# Allegro board S071AA-0413-20260427.brd (continued)
## Routing (per net, layer and track width the routed paths; a pad name or vN(x,y) marks a point on that pad's centre or on a via; arc(x,y) is an arc through that point) (continued)
170.45,326.59 ; D113.B14 171.52,327.66 ; D113.B14 169.38,327.66 ; D119.A7 30.75,54.41 ; D119.A7 29.68,53.34 ; D119.A7 31.82,53.34 ; D119.A7 30.75,52.27 ; 42.38,383.54 D431.A6 ; D431.A6 44.52,383.54 ; D431.A6 43.45,384.61 ; D431.A6 43.45,382.47 ; 175.53,75.13 D102.A6 ; D102.A6 176.6,76.2 ; D102.A6 174.46,76.2 ; D102.A6 175.53,77.27 ; 19.52,410.21 DPS8.C15 ; DPS8.C15 20.59,409.14 ; DPS8.C15 20.59,411.28 ; DPS8.C15 21.66,410.21 ; D227.B3 124.73,371.91 ; D227.B3 124.73,369.77 ; D227.B3 125.8,370.84 ; D227.B3 123.66,370.84 ; D101.B8 181.68,101.6 ; D101.B8 179.54,101.6 ; D101.B8 180.61,100.53 ; D101.B8 180.61,102.67 ; D432.A16 19.12,403.86 ; D432.A16 18.05,404.93 ; D432.A16 16.98,403.86 ; D432.A16 18.05,402.79 ; D104.B7 179.14,38.1 ; D104.B7 178.07,39.17 ; D104.B7 178.07,37.03 ; D104.B7 177,38.1 ; D109.A12 250.26,332.74 ; D109.A12 249.19,333.81 ; D109.A12 249.19,331.67 ; D109.A12 248.12,332.74 ; D232.A10 34.36,393.7 ; D232.A10 33.29,392.63 ; D232.A10 32.22,393.7 ; D232.A10 33.29,394.77 ; D110.B3 273.12,350.52 ; D110.B3 272.05,351.59 ; D110.B3 272.05,349.45 ; D110.B3 270.98,350.52 ; 29.68,93.98 D117.A7 ; D117.A7 30.75,95.05 ; D117.A7 31.82,93.98 ; D117.A7 30.75,92.91 ; D431.A8 39.44,383.54 ; D431.A8 38.37,384.61 ; D431.A8 37.3,383.54 ; D431.A8 38.37,382.47 ; D123.A8 108.02,55.88 ; D123.A8 105.88,55.88 ; D123.A8 106.95,56.95 ; D123.A8 106.95,54.81 ; 44.92,396.24 D232.A5 ; D232.A5 45.99,395.17 ; D232.A5 45.99,397.31 ; D232.A5 47.06,396.24 ; UHC430.G1_13 15.39,358.45 ; UHC430.G1_13 14.58,359.26 ; UHC430.G1_13 14.58,357.64 ; UHC430.G1_13 13.77,358.45 ; 29.68,370.84 D231.B11 ; D231.B11 31.82,370.84 ; D231.B11 30.75,369.77 ; D231.B11 30.75,371.91 ; D228.A17 90.24,396.24 ; D228.A17 89.17,395.17 ; D228.A17 89.17,397.31 ; D228.A17 88.1,396.24 ; 251.73,31.95 D108.A7 ; D108.A7 251.73,34.09 ; D108.A7 252.8,33.02 ; D108.A7 250.66,33.02 ; CSDPS426.B8 113.1,363.22 ; CSDPS426.B8 112.03,362.15 ; CSDPS426.B8 110.96,363.22 ; CSDPS426.B8 112.03,364.29 ; 114.57,395.17 D228.A7 ; D228.A7 115.64,396.24 ; D228.A7 113.5,396.24 ; D228.A7 114.57,397.31 ; 16.98,383.54 D431.A16 ; D431.A16 18.05,384.61 ; D431.A16 18.05,382.47 ; D431.A16 19.12,383.54 ; 182.08,93.98 D101.A9 ; D101.A9 183.15,92.91 ; D101.A9 183.15,95.05 ; D101.A9 184.22,93.98 ; D120.A2 18.05,36.63 ; D120.A2 16.98,35.56 ; D120.A2 18.05,34.49 ; D120.A2 19.12,35.56 ; D124.A3 94.25,34.09 ; D124.A3 93.18,33.02 ; D124.A3 95.32,33.02 ; D124.A3 94.25,31.95 ; 170.45,80.21 D102.B4 ; D102.B4 170.45,82.35 ; D102.B4 169.38,81.28 ; D102.B4 171.52,81.28 ; 56.15,374.85 D231.A1 ; D231.A1 57.22,375.92 ; D231.A1 55.08,375.92 ; D231.A1 56.15,376.99 ; 19.18,364.64 UHC430.G1_1 ; UHC430.G1_1 18.37,365.45 ; UHC430.G1_1 19.99,365.45 ; UHC430.G1_1 19.18,366.26 ; 94.25,349.45 CSDPS226.C15 ; CSDPS226.C15 94.25,351.59 ; CSDPS226.C15 93.18,350.52 ; CSDPS226.C15 95.32,350.52 ; D428.A10 108.02,403.86 ; D428.A10 106.95,402.79 ; D428.A10 106.95,404.93 ; D428.A10 105.88,403.86 ; 183.15,390.09 D116.B9 ; D116.B9 183.15,392.23 ; D116.B9 182.08,391.16 ; D116.B9 184.22,391.16 ; 119.65,329.13 CSDPS225.C5 ; CSDPS225.C5 120.72,330.2 ; CSDPS225.C5 118.58,330.2 ; CSDPS225.C5 119.65,331.27 ; D109.B3 273.12,330.2 ; D109.B3 272.05,329.13 ; D109.B3 272.05,331.27 ; D109.B3 270.98,330.2 ; 50,330.2 CSDPS229.C3 ; CSDPS229.C3 52.14,330.2 ; CSDPS229.C3 51.07,331.27 ; CSDPS229.C3 51.07,329.13 ; D104.B4 170.45,41.71 ; D104.B4 170.45,39.57 ; D104.B4 169.38,40.64 ; D104.B4 171.52,40.64 ; 88.1,53.34 D123.A1 ; D123.A1 89.17,52.27 ; D123.A1 89.17,54.41 ; D123.A1 90.24,53.34 ; 256.81,77.67 D106.B9 ; D106.B9 257.88,78.74 ; D106.B9 256.81,79.81 ; D106.B9 255.74,78.74 ; 171.92,78.74 D102.B5 ; D102.B5 172.99,77.67 ; D102.B5 172.99,79.81 ; D102.B5 174.06,78.74 ; 248.12,96.52 D105.A6 ; D105.A6 249.19,97.59 ; D105.A6 250.26,96.52 ; D105.A6 249.19,95.45 ; 273.52,368.3 D111.B2 ; D111.B2 274.59,367.23 ; D111.B2 274.59,369.37 ; D111.B2 275.66,368.3 ; 274.59,100.53 D105.B16 ; D105.B16 275.66,101.6 ; D105.B16 274.59,102.67 ; D105.B16 273.52,101.6 ; D118.A14 49.6,76.2 ; D118.A14 47.46,76.2 ; D118.A14 48.53,77.27 ; D118.A14 48.53,75.13 ; 17.22,363.7 UHC430.G1_4 ; UHC430.G1_4 18.03,364.51 ; UHC430.G1_4 18.84,363.7 ; UHC430.G1_4 18.03,362.89 ; 108.42,93.98 D121.A9 ; D121.A9 110.56,93.98 ; D121.A9 109.49,95.05 ; D121.A9 109.49,92.91 ; CSDPS425.B16 92.78,342.9 ; CSDPS425.B16 91.71,341.83 ; CSDPS425.B16 90.64,342.9 ; CSDPS425.B16 91.71,343.97 ; 259.35,387.55 D112.B8 ; D112.B8 260.42,388.62 ; D112.B8 259.35,389.69 ; D112.B8 258.28,388.62 ; 39.84,391.16 D232.B7 ; D232.B7 41.98,391.16 ; D232.B7 40.91,392.23 ; D232.B7 40.91,390.09 ; 243.04,101.6 D105.B4 ; D105.B4 244.11,102.67 ; D105.B4 244.11,100.53 ; D105.B4 245.18,101.6 ; D122.B11 115.64,78.74 ; D122.B11 113.5,78.74 ; D122.B11 114.57,77.67 ; D122.B11 114.57,79.81 ; 43.45,397.71 D432.B6 ; D432.B6 43.45,399.85 ; D432.B6 42.38,398.78 ; D432.B6 44.52,398.78 ; 167.91,414.22 DPS2.A15 ; DPS2.A15 167.91,416.36 ; DPS2.A15 168.98,415.29 ; DPS2.A15 166.84,415.29 ; 110.96,383.54 D427.A8 ; D427.A8 112.03,384.61 ; D427.A8 112.03,382.47 ; D427.A8 113.1,383.54 ; 30.75,385.01 D431.A11 ; D431.A11 30.75,387.15 ; D431.A11 29.68,386.08 ; D431.A11 31.82,386.08 ; CSDPS226.B4 123.26,353.06 ; CSDPS226.B4 121.12,353.06 ; CSDPS226.B4 122.19,351.99 ; CSDPS226.B4 122.19,354.13 ; 94.25,92.91 D121.A3 ; D121.A3 95.32,93.98 ; D121.A3 93.18,93.98 ; D121.A3 94.25,95.05 ; 56.15,385.01 D431.A1 ; D431.A1 55.08,386.08 ; D431.A1 56.15,387.15 ; D431.A1 57.22,386.08 ; 240.5,93.98 D105.A3 ; D105.A3 242.64,93.98 ; D105.A3 241.57,95.05 ; D105.A3 241.57,92.91 ; 263.36,368.3 D111.B6 ; D111.B6 264.43,369.37 ; D111.B6 265.5,368.3 ; D111.B6 264.43,367.23 ; DPS2.B15 167.91,413.82 ; DPS2.B15 166.84,412.75 ; DPS2.B15 168.98,412.75 ; DPS2.B15 167.91,411.68 ; D120.A11 41.98,33.02 ; D120.A11 40.91,31.95 ; D120.A11 39.84,33.02 ; D120.A11 40.91,34.09 ; D124.A10 113.1,35.56 ; D124.A10 110.96,35.56 ; D124.A10 112.03,34.49 ; D124.A10 112.03,36.63 ; 19.52,78.74 D118.B3 ; D118.B3 20.59,79.81 ; D118.B3 20.59,77.67 ; D118.B3 21.66,78.74 ; 112.03,377.39 D427.B8 ; D427.B8 113.1,378.46 ; D427.B8 110.96,378.46 ; D427.B8 112.03,379.53 ; D119.B9 35.83,59.49 ; D119.B9 35.83,57.35 ; D119.B9 36.9,58.42 ; D119.B9 34.76,58.42 ; 277.13,334.21 D109.A1 ; D109.A1 277.13,336.35 ; D109.A1 278.2,335.28 ; D109.A1 276.06,335.28 ; D120.B16 54.68,40.64 ; D120.B16 53.61,39.57 ; D120.B16 52.54,40.64 ; D120.B16 53.61,41.71 ; 260.82,53.34 D107.A11 ; D107.A11 262.96,53.34 ; D107.A11 261.89,54.41 ; D107.A11 261.89,52.27 ; D113.A7 188.23,336.35 ; D113.A7 187.16,335.28 ; D113.A7 188.23,334.21 ; D113.A7 189.3,335.28 ; 42.38,378.46 D431.B6 ; D431.B6 43.45,377.39 ; D431.B6 43.45,379.53 ; D431.B6 44.52,378.46 ; UHC430.G2_13 44.38,359.26 ; UHC430.G2_13 45.19,358.45 ; UHC430.G2_13 44.38,357.64 ; UHC430.G2_13 43.57,358.45 ; D228.A2 127.27,394.77 ; D228.A2 128.34,393.7 ; D228.A2 127.27,392.63 ; D228.A2 126.2,393.7 ; D113.A13 172.99,336.35 ; D113.A13 171.92,335.28 ; D113.A13 174.06,335.28 ; D113.A13 172.99,334.21 ; 113.5,381 D427.B7 ; D427.B7 115.64,381 ; D427.B7 114.57,382.07 ; D427.B7 114.57,379.93 ; 171.92,58.42 D103.B5 ; D103.B5 172.99,59.49 ; D103.B5 174.06,58.42 ; D103.B5 172.99,57.35 ; D124.B6 101.87,41.71 ; D124.B6 100.8,40.64 ; D124.B6 101.87,39.57 ; D124.B6 102.94,40.64 ; D107.A15 272.05,54.41 ; D107.A15 272.05,52.27 ; D107.A15 270.98,53.34 ; D107.A15 273.12,53.34 ; 197.32,58.42 D103.B15 ; D103.B15 199.46,58.42 ; D103.B15 198.39,59.49 ; D103.B15 198.39,57.35 ; D103.A14 195.85,56.95 ; D103.A14 194.78,55.88 ; D103.A14 195.85,54.81 ; D103.A14 196.92,55.88 ; 50,73.66 D118.A15 ; D118.A15 51.07,74.73 ; D118.A15 52.14,73.66 ; D118.A15 51.07,72.59 ; CSDPS426.B14 96.79,364.29 ; CSDPS426.B14 95.72,363.22 ; CSDPS426.B14 97.86,363.22 ; CSDPS426.B14 96.79,362.15 ; D122.A4 96.79,77.27 ; D122.A4 97.86,76.2 ; D122.A4 95.72,76.2 ; D122.A4 96.79,75.13 ; 199.86,327.66 D113.B2 ; D113.B2 200.93,328.73 ; D113.B2 202,327.66 ; D113.B2 200.93,326.59 ; D116.B3 199.46,391.16 ; D116.B3 197.32,391.16 ; D116.B3 198.39,392.23 ; D116.B3 198.39,390.09 ; D108.B5 246.65,39.17 ; D108.B5 246.65,37.03 ; D108.B5 245.58,38.1 ; D108.B5 247.72,38.1 ; 194.78,327.66 D113.B4 ; D113.B4 195.85,328.73 ; D113.B4 196.92,327.66 ; D113.B4 195.85,326.59 ; 91.71,362.15 CSDPS426.B16 ; CSDPS426.B16 91.71,364.29 ; CSDPS426.B16 90.64,363.22 ; CSDPS426.B16 92.78,363.22 ; D115.A12 176.6,373.38 ; D115.A12 174.46,373.38 ; D115.A12 175.53,372.31 ; D115.A12 175.53,374.45 ; 263.36,393.7 D112.A6 ; D112.A6 265.5,393.7 ; D112.A6 264.43,392.63 ; D112.A6 264.43,394.77 ; D122.B10 113.1,81.28 ; D122.B10 110.96,81.28 ; D122.B10 112.03,82.35 ; D122.B10 112.03,80.21 ; D106.A2 239.03,77.27 ; D106.A2 239.03,75.13 ; D106.A2 237.96,76.2 ; D106.A2 240.1,76.2 ; 169.38,101.6 D101.B4 ; D101.B4 170.45,102.67 ; D101.B4 170.45,100.53 ; D101.B4 171.52,101.6 ; 245.58,73.66 D106.A5 ; D106.A5 246.65,74.73 ; D106.A5 247.72,73.66 ; D106.A5 246.65,72.59 ; CSDPS426.C9 110.56,360.68 ; CSDPS426.C9 108.42,360.68 ; CSDPS426.C9 109.49,359.61 ; CSDPS426.C9 109.49,361.75 ; D111.B7 262.96,370.84 ; D111.B7 261.89,371.91 ; D111.B7 261.89,369.77 ; D111.B7 260.82,370.84 ; 175.53,59.89 D103.B6 ; D103.B6 174.46,60.96 ; D103.B6 175.53,62.03 ; D103.B6 176.6,60.96 ; D115.B15 167.91,371.91 ; D115.B15 167.91,369.77 ; D115.B15 166.84,370.84 ; D115.B15 168.98,370.84 ; D113.A6 190.77,333.81 ; D113.A6 191.84,332.74 ; D113.A6 189.7,332.74 ; D113.A6 190.77,331.67 ; DPS8.A15 21.66,415.29 ; DPS8.A15 20.59,416.36 ; DPS8.A15 20.59,414.22 ; DPS8.A15 19.52,415.29 ; DPS8.C05 47.06,410.21 ; DPS8.C05 45.99,409.14 ; DPS8.C05 44.92,410.21 ; DPS8.C05 45.99,411.28 ; 89.17,379.93 D427.B17 ; D427.B17 90.24,381 ; D427.B17 89.17,382.07 ; D427.B17 88.1,381 ; 45.99,369.77 D231.B5 ; D231.B5 45.99,371.91 ; D231.B5 47.06,370.84 ; D231.B5 44.92,370.84 ; D113.B11 178.07,331.27 ; D113.B11 179.14,330.2 ; D113.B11 178.07,329.13 ; D113.B11 177,330.2 ; 250.66,335.28 D109.A11 ; D109.A11 251.73,334.21 ; D109.A11 252.8,335.28 ; D109.A11 251.73,336.35 ; 23.13,39.57 D120.B4 ; D120.B4 22.06,40.64 ; D120.B4 23.13,41.71 ; D120.B4 24.2,40.64 ; 254.27,59.89 D107.B8 ; D107.B8 254.27,62.03 ; D107.B8 253.2,60.96 ; D107.B8 255.34,60.96 ; D427.B10 108.02,378.46 ; D427.B10 106.95,377.39 ; D427.B10 105.88,378.46 ; D427.B10 106.95,379.53 ; D427.A4 123.26,383.54 ; D427.A4 122.19,384.61 ; D427.A4 121.12,383.54 ; D427.A4 122.19,382.47 ; D431.A12 29.28,383.54 ; D431.A12 28.21,384.61 ; D431.A12 28.21,382.47 ; D431.A12 27.14,383.54 ; 28.21,80.21 D118.B6 ; D118.B6 28.21,82.35 ; D118.B6 27.14,81.28 ; D118.B6 29.28,81.28 ; 99.33,12.9 DPS3.A05 ; DPS3.A05 99.33,15.04 ; DPS3.A05 100.4,13.97 ; DPS3.A05 98.26,13.97 ; 56.15,369.77 D231.B1 ; D231.B1 55.08,370.84 ; D231.B1 56.15,371.91 ; D231.B1 57.22,370.84 ; 269.51,75.13 D106.A14 ; D106.A14 270.58,76.2 ; D106.A14 269.51,77.27 ; D106.A14 268.44,76.2 ; 34.76,93.98 D117.A9 ; D117.A9 35.83,92.91 ; D117.A9 36.9,93.98 ; D117.A9 35.83,95.05 ; 14.44,401.32 D432.B17 ; D432.B17 15.51,402.39 ; D432.B17 16.58,401.32 ; D432.B17 15.51,400.25 ; D110.A14 245.18,353.06 ; D110.A14 244.11,351.99 ; D110.A14 244.11,354.13 ; D110.A14 243.04,353.06 ; D110.A6 265.5,353.06 ; D110.A6 264.43,354.13 ; D110.A6 264.43,351.99 ; D110.A6 263.36,353.06 ; D103.A9 184.22,53.34 ; D103.A9 183.15,52.27 ; D103.A9 183.15,54.41 ; D103.A9 182.08,53.34 ; 89.17,97.99 D121.B1 ; D121.B1 88.1,99.06 ; D121.B1 89.17,100.13 ; D121.B1 90.24,99.06 ; D119.A8 34.36,55.88 ; D119.A8 32.22,55.88 ; D119.A8 33.29,56.95 ; D119.A8 33.29,54.81 ; 89.17,15.44 DPS3.B01 ; DPS3.B01 89.17,17.58 ; DPS3.B01 90.24,16.51 ; DPS3.B01 88.1,16.51 ; D103.B13 193.31,59.49 ; D103.B13 192.24,58.42 ; D103.B13 193.31,57.35 ; D103.B13 194.38,58.42 ; D102.A9 183.15,74.73 ; D102.A9 184.22,73.66 ; D102.A9 183.15,72.59 ; D102.A9 182.08,73.66 ; CSDPS225.B4 123.26,332.74 ; CSDPS225.B4 122.19,331.67 ; CSDPS225.B4 122.19,333.81 ; CSDPS225.B4 121.12,332.74 ; D117.B15 52.14,99.06 ; D117.B15 50,99.06 ; D117.B15 51.07,100.13 ; D117.B15 51.07,97.99 ; D117.B4 23.13,102.67 ; D117.B4 23.13,100.53 ; D117.B4 22.06,101.6 ; D117.B4 24.2,101.6 ; CSDPS229.B10 33.29,333.81 ; CSDPS229.B10 34.36,332.74 ; CSDPS229.B10 33.29,331.67 ; CSDPS229.B10 32.22,332.74 ; D427.B6 118.18,378.46 ; D427.B6 117.11,379.53 ; D427.B6 116.04,378.46 ; D427.B6 117.11,377.39 ; 248.12,35.56 D108.A6 ; D108.A6 249.19,36.63 ; D108.A6 249.19,34.49 ; D108.A6 250.26,35.56 ; D119.B14 49.6,60.96 ; D119.B14 48.53,62.03 ; D119.B14 47.46,60.96 ; D119.B14 48.53,59.89 ; D105.A11 261.89,95.05 ; D105.A11 260.82,93.98 ; D105.A11 261.89,92.91 ; D105.A11 262.96,93.98 ; D108.B14 270.58,40.64 ; D108.B14 269.51,39.57 ; D108.B14 268.44,40.64 ; D108.B14 269.51,41.71 ; 260.82,78.74 D106.B11 ; D106.B11 261.89,79.81 ; D106.B11 261.89,77.67 ; D106.B11 262.96,78.74 ; D103.B12 191.84,60.96 ; D103.B12 190.77,62.03 ; D103.B12 190.77,59.89 ; D103.B12 189.7,60.96 ; DPS8.C01 57.22,410.21 ; DPS8.C01 56.15,409.14 ; DPS8.C01 56.15,411.28 ; DPS8.C01 55.08,410.21 ; D102.B16 202,81.28 ; D102.B16 200.93,80.21 ; D102.B16 199.86,81.28 ; D102.B16 200.93,82.35 ; D124.A6 102.94,35.56 ; D124.A6 101.87,34.49 ; D124.A6 101.87,36.63 ; D124.A6 100.8,35.56 ; 46.68,357.64 UHC430.G2_12 ; UHC430.G2_12 46.68,359.26 ; UHC430.G2_12 45.87,358.45 ; UHC430.G2_12 47.49,358.45 ; 53.61,80.21 D118.B16 ; D118.B16 52.54,81.28 ; D118.B16 53.61,82.35 ; D118.B16 54.68,81.28 ; 113.5,406.4 D428.A7 ; D428.A7 114.57,405.33 ; D428.A7 114.57,407.47 ; D428.A7 115.64,406.4 ; D106.B6 249.19,82.35 ; D106.B6 249.19,80.21 ; D106.B6 250.26,81.28 ; D106.B6 248.12,81.28 ; D228.A8 112.03,394.77 ; D228.A8 110.96,393.7 ; D228.A8 113.1,393.7 ; D228.A8 112.03,392.63 ; D115.A1 204.54,375.92 ; D115.A1 202.4,375.92 ; D115.A1 203.47,376.99 ; D115.A1 203.47,374.85 ; 239.03,367.23 D111.B16 ; D111.B16 237.96,368.3 ; D111.B16 239.03,369.37 ; D111.B16 240.1,368.3 ; D105.B5 247.72,99.06 ; D105.B5 245.58,99.06 ; D105.B5 246.65,100.13 ; D105.B5 246.65,97.99 ; 53.36,155.6 KS4.6 ; KS4.6 53.36,157.84 ; KS4.6 54.47,156.72 ; KS4.6 52.24,156.72 ; D101.B7 178.07,100.13 ; D101.B7 179.14,99.06 ; D101.B7 177,99.06 ; D101.B7 178.07,97.99 ; 177,93.98 D101.A7 ; D101.A7 178.07,92.91 ; D101.A7 179.14,93.98 ; D101.A7 178.07,95.05 ; D103.B2 166.44,60.96 ; D103.B2 165.37,62.03 ; D103.B2 164.3,60.96 ; D103.B2 165.37,59.89 ; D428.A9 110.56,406.4 ; D428.A9 109.49,407.47 ; D428.A9 108.42,406.4 ; D428.A9 109.49,405.33 ; D227.B14 97.86,368.3 ; D227.B14 95.72,368.3 ; D227.B14 96.79,367.23 ; D227.B14 96.79,369.37 ; D102.B6 175.53,82.35 ; D102.B6 176.6,81.28 ; D102.B6 174.46,81.28 ; D102.B6 175.53,80.21 ; 246.65,12.9 DPS1.A05 ; DPS1.A05 246.65,15.04 ; DPS1.A05 247.72,13.97 ; DPS1.A05 245.58,13.97 ; UHC230.G4_9 18.03,350.85 ; UHC230.G4_9 18.84,350.04 ; UHC230.G4_9 17.22,350.04 ; UHC230.G4_9 18.03,349.23 ; D227.A16 92.78,373.38 ; D227.A16 91.71,374.45 ; D227.A16 90.64,373.38 ; D227.A16 91.71,372.31 ; 40.91,329.13 CSDPS229.C7 ; CSDPS229.C7 40.91,331.27 ; CSDPS229.C7 39.84,330.2 ; CSDPS229.C7 41.98,330.2 ; CSDPS229.C13 26.74,330.2 ; CSDPS229.C13 24.6,330.2 ; CSDPS229.C13 25.67,329.13 ; CSDPS229.C13 25.67,331.27 ; 94.25,385.01 D427.A15 ; D427.A15 94.25,387.15 ; D427.A15 93.18,386.08 ; D427.A15 95.32,386.08 ; 270.98,396.24 D112.A3 ; D112.A3 273.12,396.24 ; D112.A3 272.05,397.31 ; D112.A3 272.05,395.17 ; D119.A12 43.45,56.95 ; D119.A12 42.38,55.88 ; D119.A12 44.52,55.88 ; D119.A12 43.45,54.81 ; 27.14,55.88 D119.A6 ; D119.A6 28.21,56.95 ; D119.A6 29.28,55.88 ; D119.A6 28.21,54.81 ; 197.32,53.34 D103.A15 ; D103.A15 198.39,52.27 ; D103.A15 198.39,54.41 ; D103.A15 199.46,53.34 ; D104.B3 167.91,39.17 ; D104.B3 166.84,38.1 ; D104.B3 167.91,37.03 ; D104.B3 168.98,38.1 ; D111.A15 242.64,375.92 ; D111.A15 240.5,375.92 ; D111.A15 241.57,374.85 ; D111.A15 241.57,376.99 ; D106.B13 266.97,79.81 ; D106.B13 266.97,77.67 ; D106.B13 265.9,78.74 ; D106.B13 268.04,78.74 ; D106.B5 246.65,79.81 ; D106.B5 246.65,77.67 ; D106.B5 245.58,78.74 ; D106.B5 247.72,78.74 ; D227.A13 100.4,375.92 ; D227.A13 98.26,375.92 ; D227.A13 99.33,376.99 ; D227.A13 99.33,374.85 ; 52.54,35.56 D120.A16 ; D120.A16 54.68,35.56 ; D120.A16 53.61,36.63 ; D120.A16 53.61,34.49 ; D101.A4 171.52,96.52 ; D101.A4 169.38,96.52 ; D101.A4 170.45,95.45 ; D101.A4 170.45,97.59 ; D101.A11 189.3,93.98 ; D101.A11 188.23,92.91 ; D101.A11 187.16,93.98 ; D101.A11 188.23,95.05 ; 94.25,395.17 D228.A15 ; D228.A15 93.18,396.24 ; D228.A15 94.25,397.31 ; D228.A15 95.32,396.24 ; D109.B8 260.42,327.66 ; D109.B8 259.35,328.73 ; D109.B8 258.28,327.66 ; D109.B8 259.35,326.59 ; D119.B12 43.45,62.03 ; D119.B12 44.52,60.96 ; D119.B12 42.38,60.96 ; D119.B12 43.45,59.89 ; 19.52,330.2 CSDPS229.C15 ; CSDPS229.C15 20.59,329.13 ; CSDPS229.C15 20.59,331.27 ; CSDPS229.C15 21.66,330.2 ; D112.B15 242.64,391.16 ; D112.B15 240.5,391.16 ; D112.B15 241.57,390.09 ; D112.B15 241.57,392.23 ; 118.58,99.06 D121.B13 ; D121.B13 119.65,100.13 ; D121.B13 120.72,99.06 ; D121.B13 119.65,97.99 ; D232.A11 31.82,396.24 ; D232.A11 30.75,397.31 ; D232.A11 29.68,396.24 ; D232.A11 30.75,395.17 ; D101.B13 193.31,100.13 ; D101.B13 193.31,97.99 ; D101.B13 192.24,99.06 ; D101.B13 194.38,99.06 ; 95.72,96.52 D121.A4 ; D121.A4 97.86,96.52 ; D121.A4 96.79,95.45 ; D121.A4 96.79,97.59 ; D101.B1 163.9,99.06 ; D101.B1 162.83,97.99 ; D101.B1 162.83,100.13 ; D101.B1 161.76,99.06 ; 122.19,377.39 D427.B4 ; D427.B4 123.26,378.46 ; D427.B4 122.19,379.53 ; D427.B4 121.12,378.46 ; 113.5,99.06 D121.B11 ; D121.B11 114.57,100.13 ; D121.B11 115.64,99.06 ; D121.B11 114.57,97.99 ; 123.66,19.05 DPS3.C15 ; DPS3.C15 125.8,19.05 ; DPS3.C15 124.73,20.12 ; DPS3.C15 124.73,17.98 ; D109.A10 255.34,332.74 ; D109.A10 254.27,333.81 ; D109.A10 253.2,332.74 ; D109.A10 254.27,331.67 ; 177,375.92 D115.A11 ; D115.A11 178.07,376.99 ; D115.A11 179.14,375.92 ; D115.A11 178.07,374.85 ; D231.B16 19.12,368.3 ; D231.B16 18.05,367.23 ; D231.B16 18.05,369.37 ; D231.B16 16.98,368.3 ; D113.B9 183.15,331.27 ; D113.B9 184.22,330.2 ; D113.B9 183.15,329.13 ; D113.B9 182.08,330.2 ; 91.71,54.81 D123.A2 ; D123.A2 91.71,56.95 ; D123.A2 92.78,55.88 ; D123.A2 90.64,55.88 ; D117.B16 53.61,102.67 ; D117.B16 54.68,101.6 ; D117.B16 53.61,100.53 ; D117.B16 52.54,101.6 ; 237.96,81.28 D106.B2 ; D106.B2 239.03,82.35 ; D106.B2 239.03,80.21 ; D106.B2 240.1,81.28 ; 91.71,100.53 D121.B2 ; D121.B2 91.71,102.67 ; D121.B2 92.78,101.6 ; D121.B2 90.64,101.6 ; 99.33,72.59 D122.A5 ; D122.A5 98.26,73.66 ; D122.A5 100.4,73.66 ; D122.A5 99.33,74.73 ; D105.B2 239.03,102.67 ; D105.B2 239.03,100.53 ; D105.B2 237.96,101.6 ; D105.B2 240.1,101.6 ; D112.B6 265.5,388.62 ; D112.B6 264.43,389.69 ; D112.B6 263.36,388.62 ; D112.B6 264.43,387.55 ; D432.B8 39.44,398.78 ; D432.B8 37.3,398.78 ; D432.B8 38.37,399.85 ; D432.B8 38.37,397.71 ; D109.A6 264.43,333.81 ; D109.A6 264.43,331.67 ; D109.A6 263.36,332.74 ; D109.A6 265.5,332.74 ; 182.08,33.02 D104.A9 ; D104.A9 183.15,34.09 ; D104.A9 184.22,33.02 ; D104.A9 183.15,31.95 ; D113.B12 176.6,327.66 ; D113.B12 175.53,328.73 ; D113.B12 174.46,327.66 ; D113.B12 175.53,326.59 ; 195.85,387.55 D116.B4 ; D116.B4 196.92,388.62 ; D116.B4 194.78,388.62 ; D116.B4 195.85,389.69 ; D113.A3 199.46,335.28 ; D113.A3 197.32,335.28 ; D113.A3 198.39,334.21 ; D113.A3 198.39,336.35 ; D432.B9 36.9,401.32 ; D432.B9 34.76,401.32 ; D432.B9 35.83,402.39 ; D432.B9 35.83,400.25 ; D115.A13 174.06,375.92 ; D115.A13 171.92,375.92 ; D115.A13 172.99,376.99 ; D115.A13 172.99,374.85 ; DPS2.B11 179.14,412.75 ; DPS2.B11 177,412.75 ; DPS2.B11 178.07,413.82 ; DPS2.B11 178.07,411.68 ; D111.B3 272.05,371.91 ; D111.B3 270.98,370.84 ; D111.B3 273.12,370.84 ; D111.B3 272.05,369.77 ; D114.B13 172.99,351.59 ; D114.B13 171.92,350.52 ; D114.B13 172.99,349.45 ; D114.B13 174.06,350.52 ; 44.92,73.66 D118.A13 ; D118.A13 47.06,73.66 ; D118.A13 45.99,72.59 ; D118.A13 45.99,74.73 ; 167.91,349.45 D114.B15 ; D114.B15 166.84,350.52 ; D114.B15 167.91,351.59 ; D114.B15 168.98,350.52 ; UHC230.G4 16.88,352.6 ; UHC230.G4 16.88,350.98 ; UHC230.G4 17.69,351.79 ; UHC230.G4 16.07,351.79 ; 13.77,351.79 UHC230.G4_8 ; UHC230.G4_8 14.58,352.6 ; UHC230.G4_8 14.58,350.98 ; UHC230.G4_8 15.39,351.79 ; D118.A11 41.98,73.66 ; D118.A11 39.84,73.66 ; D118.A11 40.91,74.73 ; D118.A11 40.91,72.59 ; 178.07,57.35 D103.B7 ; D103.B7 179.14,58.42 ; D103.B7 178.07,59.49 ; D103.B7 177,58.42 ; 29.68,381 D431.B11 ; D431.B11 30.75,379.93 ; D431.B11 31.82,381 ; D431.B11 30.75,382.07 ; 101.87,54.81 D123.A6 ; D123.A6 101.87,56.95 ; D123.A6 102.94,55.88 ; D123.A6 100.8,55.88 ; D120.B10 38.37,41.71 ; D120.B10 38.37,39.57 ; D120.B10 39.44,40.64 ; D120.B10 37.3,40.64 ; D124.B4 97.86,40.64 ; D124.B4 96.79,39.57 ; D124.B4 95.72,40.64 ; D124.B4 96.79,41.71 ; CSDPS225.B14 97.86,332.74 ; CSDPS225.B14 96.79,331.67 ; CSDPS225.B14 95.72,332.74 ; CSDPS225.B14 96.79,333.81 ; D108.A8 255.34,35.56 ; D108.A8 254.27,36.63 ; D108.A8 254.27,34.49 ; D108.A8 253.2,35.56 ; D232.B17 16.58,391.16 ; D232.B17 14.44,391.16 ; D232.B17 15.51,392.23 ; D232.B17 15.51,390.09 ; 179.54,55.88 D103.A8 ; D103.A8 181.68,55.88 ; D103.A8 180.61,54.81 ; D103.A8 180.61,56.95 ; D428.A4 122.19,404.93 ; D428.A4 121.12,403.86 ; D428.A4 123.26,403.86 ; D428.A4 122.19,402.79 ; 164.3,332.74 D113.A16 ; D113.A16 165.37,331.67 ; D113.A16 166.44,332.74 ; D113.A16 165.37,333.81 ; D124.B16 127.27,41.71 ; D124.B16 126.2,40.64 ; D124.B16 127.27,39.57 ; D124.B16 128.34,40.64 ; 43.45,402.79 D432.A6 ; D432.A6 44.52,403.86 ; D432.A6 42.38,403.86 ; D432.A6 43.45,404.93 ; D105.A4 244.11,97.59 ; D105.A4 245.18,96.52 ; D105.A4 243.04,96.52 ; D105.A4 244.11,95.45 ; CSDPS225.B12 101.87,333.81 ; CSDPS225.B12 101.87,331.67 ; CSDPS225.B12 100.8,332.74 ; CSDPS225.B12 102.94,332.74 ; 253.2,81.28 D106.B8 ; D106.B8 254.27,80.21 ; D106.B8 254.27,82.35 ; D106.B8 255.34,81.28 ; D117.B8 33.29,102.67 ; D117.B8 34.36,101.6 ; D117.B8 32.22,101.6 ; D117.B8 33.29,100.53 ; 43.57,348.29 UHC230.G3_13 ; UHC230.G3_13 44.38,347.48 ; UHC230.G3_13 44.38,349.1 ; UHC230.G3_13 45.19,348.29 ; 56.15,390.09 D232.B1 ; D232.B1 55.08,391.16 ; D232.B1 57.22,391.16 ; D232.B1 56.15,392.23 ; D116.B6 190.77,389.69 ; D116.B6 190.77,387.55 ; D116.B6 189.7,388.62 ; D116.B6 191.84,388.62 ; 48.17,348.29 UHC230.G3_11 ; UHC230.G3_11 49.79,348.29 ; UHC230.G3_11 48.98,349.1 ; UHC230.G3_11 48.98,347.48 ; D431.B10 33.29,379.53 ; D431.B10 33.29,377.39 ; D431.B10 34.36,378.46 ; D431.B10 32.22,378.46 ; DPS8.B11 31.82,412.75 ; DPS8.B11 30.75,413.82 ; DPS8.B11 30.75,411.68 ; DPS8.B11 29.68,412.75 ; D115.A7 189.3,375.92 ; D115.A7 188.23,376.99 ; D115.A7 187.16,375.92 ; D115.A7 188.23,374.85 ; UHC230.G4_12 17.69,348.29 ; UHC230.G4_12 16.07,348.29 ; UHC230.G4_12 16.88,347.48 ; UHC230.G4_12 16.88,349.1 ; 200.93,367.23 D115.B2 ; D115.B2 199.86,368.3 ; D115.B2 200.93,369.37 ; D115.B2 202,368.3 ; DPS8.B01 57.22,412.75 ; DPS8.B01 56.15,411.68 ; DPS8.B01 56.15,413.82 ; DPS8.B01 55.08,412.75 ; 25.67,385.01 D431.A13 ; D431.A13 24.6,386.08 ; D431.A13 25.67,387.15 ; D431.A13 26.74,386.08 ; DPS3.C11 115.64,19.05 ; DPS3.C11 113.5,19.05 ; DPS3.C11 114.57,17.98 ; DPS3.C11 114.57,20.12 ; D228.A16 91.71,394.77 ; D228.A16 90.64,393.7 ; D228.A16 92.78,393.7 ; D228.A16 91.71,392.63 ; D232.A4 49.6,393.7 ; D232.A4 47.46,393.7 ; D232.A4 48.53,392.63 ; D232.A4 48.53,394.77 ; 109.49,379.93 D427.B9 ; D427.B9 110.56,381 ; D427.B9 109.49,382.07 ; D427.B9 108.42,381 ; 192.24,330.2 D113.B5 ; D113.B5 194.38,330.2 ; D113.B5 193.31,331.27 ; D113.B5 193.31,329.13 ; D101.B9 183.15,100.13 ; D101.B9 183.15,97.99 ; D101.B9 182.08,99.06 ; D101.B9 184.22,99.06 ; D109.A15 242.64,335.28 ; D109.A15 241.57,334.21 ; D109.A15 240.5,335.28 ; D109.A15 241.57,336.35 ; 104.41,400.25 D428.B11 ; D428.B11 104.41,402.39 ; D428.B11 103.34,401.32 ; D428.B11 105.48,401.32 ; D110.B6 264.43,349.05 ; D110.B6 263.36,347.98 ; D110.B6 264.43,346.91 ; D110.B6 265.5,347.98 ; 96.79,54.81 D123.A4 ; D123.A4 97.86,55.88 ; D123.A4 96.79,56.95 ; D123.A4 95.72,55.88 ; 89.17,72.59 D122.A1 ; D122.A1 88.1,73.66 ; D122.A1 90.24,73.66 ; D122.A1 89.17,74.73 ; 25.67,390.09 D232.B13 ; D232.B13 26.74,391.16 ; D232.B13 25.67,392.23 ; D232.B13 24.6,391.16 ; D427.A5 120.72,386.08 ; D427.A5 119.65,387.15 ; D427.A5 119.65,385.01 ; D427.A5 118.58,386.08 ; CSDPS229.B14 23.13,333.81 ; CSDPS229.B14 23.13,331.67 ; CSDPS229.B14 22.06,332.74 ; CSDPS229.B14 24.2,332.74 ; 100.8,368.3 D227.B12 ; D227.B12 101.87,367.23 ; D227.B12 102.94,368.3 ; D227.B12 101.87,369.37 ; D115.B1 204.54,370.84 ; D115.B1 203.47,369.77 ; D115.B1 202.4,370.84 ; D115.B1 203.47,371.91 ; 28.21,387.55 D232.B12 ; D232.B12 29.28,388.62 ; D232.B12 27.14,388.62 ; D232.B12 28.21,389.69 ; 45.99,400.25 D432.B5 ; D432.B5 47.06,401.32 ; D432.B5 45.99,402.39 ; D432.B5 44.92,401.32 ; D106.A9 256.81,74.73 ; D106.A9 255.74,73.66 ; D106.A9 257.88,73.66 ; D106.A9 256.81,72.59 ; 112.03,367.23 D227.B8 ; D227.B8 110.96,368.3 ; D227.B8 113.1,368.3 ; D227.B8 112.03,369.37 ; D228.B6 118.18,388.62 ; D228.B6 116.04,388.62 ; D228.B6 117.11,389.69 ; D228.B6 117.11,387.55 ; 108.42,396.24 D228.A9 ; D228.A9 110.56,396.24 ; D228.A9 109.49,395.17 ; D228.A9 109.49,397.31 ; 193.31,395.17 D116.A5 ; D116.A5 194.38,396.24 ; D116.A5 193.31,397.31 ; D116.A5 192.24,396.24 ; 185.69,351.99 D114.A8 ; D114.A8 185.69,354.13 ; D114.A8 184.62,353.06 ; D114.A8 186.76,353.06 ; 52.54,60.96 D119.B16 ; D119.B16 53.61,62.03 ; D119.B16 53.61,59.89 ; D119.B16 54.68,60.96 ; D111.B4 269.51,369.37 ; D111.B4 269.51,367.23 ; D111.B4 268.44,368.3 ; D111.B4 270.58,368.3 ; 197.32,38.1 D104.B15 ; D104.B15 199.46,38.1 ; D104.B15 198.39,37.03 ; D104.B15 198.39,39.17 ; 43.45,100.53 D117.B12 ; D117.B12 44.52,101.6 ; D117.B12 43.45,102.67 ; D117.B12 42.38,101.6 ; D106.B4 244.11,82.35 ; D106.B4 245.18,81.28 ; D106.B4 244.11,80.21 ; D106.B4 243.04,81.28 ; D110.A3 273.12,355.6 ; D110.A3 272.05,356.67 ; D110.A3 270.98,355.6 ; D110.A3 272.05,354.53 ; 52.54,342.9 CSDPS429.B2 ; CSDPS429.B2 53.61,341.83 ; CSDPS429.B2 54.68,342.9 ; CSDPS429.B2 53.61,343.97 ; 100.8,342.9 CSDPS425.B12 ; CSDPS425.B12 102.94,342.9 ; CSDPS425.B12 101.87,343.97 ; CSDPS425.B12 101.87,341.83 ; CSDPS426.B6 118.18,363.22 ; CSDPS426.B6 116.04,363.22 ; CSDPS426.B6 117.11,362.15 ; CSDPS426.B6 117.11,364.29 ; D432.A13 26.74,406.4 ; D432.A13 25.67,405.33 ; D432.A13 25.67,407.47 ; D432.A13 24.6,406.4 ; D228.A5 120.72,396.24 ; D228.A5 119.65,395.17 ; D228.A5 118.58,396.24 ; D228.A5 119.65,397.31 ; DPS1.C01 237.56,19.05 ; DPS1.C01 236.49,20.12 ; DPS1.C01 235.42,19.05 ; DPS1.C01 236.49,17.98 ; D121.B10 112.03,102.67 ; D121.B10 112.03,100.53 ; D121.B10 110.96,101.6 ; D121.B10 113.1,101.6 ; D227.A6 118.18,373.38 ; D227.A6 117.11,372.31 ; D227.A6 117.11,374.45 ; D227.A6 116.04,373.38 ; UHC430.G2_10 46.34,360.2 ; UHC430.G2_10 45.53,359.39 ; UHC430.G2_10 44.72,360.2 ; UHC430.G2_10 45.53,361.01 ; 119.65,339.29 CSDPS425.C5 ; CSDPS425.C5 120.72,340.36 ; CSDPS425.C5 118.58,340.36 ; CSDPS425.C5 119.65,341.43 ; CSDPS425.C3 125.8,340.36 ; CSDPS425.C3 124.73,339.29 ; CSDPS425.C3 123.66,340.36 ; CSDPS425.C3 124.73,341.43 ; 241.57,369.77 D111.B15 ; D111.B15 240.5,370.84 ; D111.B15 241.57,371.91 ; D111.B15 242.64,370.84 ; 193.31,52.27 D103.A13 ; D103.A13 192.24,53.34 ; D103.A13 193.31,54.41 ; D103.A13 194.38,53.34 ; 90.64,353.06 CSDPS226.B16 ; CSDPS226.B16 91.71,354.13 ; CSDPS226.B16 91.71,351.99 ; CSDPS226.B16 92.78,353.06 ; D103.A10 186.76,55.88 ; D103.A10 184.62,55.88 ; D103.A10 185.69,56.95 ; D103.A10 185.69,54.81 ; D110.A4 269.51,354.13 ; D110.A4 269.51,351.99 ; D110.A4 268.44,353.06 ; D110.A4 270.58,353.06 ; 43.45,95.45 D117.A12 ; D117.A12 42.38,96.52 ; D117.A12 44.52,96.52 ; D117.A12 43.45,97.59 ; D121.B12 117.11,102.67 ; D121.B12 116.04,101.6 ; D121.B12 118.18,101.6 ; D121.B12 117.11,100.53 ; 44.38,354.48 UHC230.G3_3 ; UHC230.G3_3 44.38,356.1 ; UHC230.G3_3 45.19,355.29 ; UHC230.G3_3 43.57,355.29 ; D107.A4 245.18,55.88 ; D107.A4 243.04,55.88 ; D107.A4 244.11,54.81 ; D107.A4 244.11,56.95 ; 129.81,390.09 D228.B1 ; D228.B1 128.74,391.16 ; D228.B1 130.88,391.16 ; D228.B1 129.81,392.23 ; 123.66,406.4 D428.A3 ; D428.A3 125.8,406.4 ; D428.A3 124.73,405.33 ; D428.A3 124.73,407.47 ; 116.04,96.52 D121.A12 ; D121.A12 117.11,97.59 ; D121.A12 117.11,95.45 ; D121.A12 118.18,96.52 ; D124.A14 123.26,35.56 ; D124.A14 121.12,35.56 ; D124.A14 122.19,36.63 ; D124.A14 122.19,34.49 ; D102.A14 196.92,76.2 ; D102.A14 195.85,75.13 ; D102.A14 195.85,77.27 ; D102.A14 194.78,76.2 ; 177,370.84 D115.B11 ; D115.B11 178.07,369.77 ; D115.B11 178.07,371.91 ; D115.B11 179.14,370.84 ; 259.35,39.57 D108.B10 ; D108.B10 260.42,40.64 ; D108.B10 258.28,40.64 ; D108.B10 259.35,41.71 ; D431.B7 41.98,381 ; D431.B7 39.84,381 ; D431.B7 40.91,382.07 ; D431.B7 40.91,379.93 ; D427.A16 91.71,384.61 ; D427.A16 92.78,383.54 ; D427.A16 91.71,382.47 ; D427.A16 90.64,383.54 ; 98.26,401.32 D428.B13 ; D428.B13 99.33,402.39 ; D428.B13 100.4,401.32 ; D428.B13 99.33,400.25 ; 18.05,377.39 D431.B16 ; D431.B16 18.05,379.53 ; D431.B16 16.98,378.46 ; D431.B16 19.12,378.46 ; D103.B1 162.83,59.49 ; D103.B1 163.9,58.42 ; D103.B1 162.83,57.35 ; D103.B1 161.76,58.42 ; 50,375.92 D231.A3 ; D231.A3 51.07,374.85 ; D231.A3 51.07,376.99 ; D231.A3 52.14,375.92 ; D115.B6 190.77,369.37 ; D115.B6 191.84,368.3 ; D115.B6 190.77,367.23 ; D115.B6 189.7,368.3 ; DPS3.C05 100.4,19.05 ; DPS3.C05 99.33,17.98 ; DPS3.C05 99.33,20.12 ; DPS3.C05 98.26,19.05 ; D428.A15 95.32,406.4 ; D428.A15 94.25,407.47 ; D428.A15 94.25,405.33 ; D428.A15 93.18,406.4 ; DPS1.C15 272.05,20.12 ; DPS1.C15 270.98,19.05 ; DPS1.C15 273.12,19.05 ; DPS1.C15 272.05,17.98 ; D104.B16 200.93,41.71 ; D104.B16 200.93,39.57 ; D104.B16 199.86,40.64 ; D104.B16 202,40.64 ; 28.21,59.89 D119.B6 ; D119.B6 27.14,60.96 ; D119.B6 29.28,60.96 ; D119.B6 28.21,62.03 ; 169.38,60.96 D103.B4 ; D103.B4 170.45,59.89 ; D103.B4 170.45,62.03 ; D103.B4 171.52,60.96 ; 53.61,54.81 D119.A16 ; D119.A16 52.54,55.88 ; D119.A16 54.68,55.88 ; D119.A16 53.61,56.95 ; UHC430.G2_5 46.34,363.7 ; UHC430.G2_5 44.72,363.7 ; UHC430.G2_5 45.53,364.51 ; UHC430.G2_5 45.53,362.89 ; D119.A10 38.37,56.95 ; D119.A10 39.44,55.88 ; D119.A10 38.37,54.81 ; D119.A10 37.3,55.88 ; D113.B10 181.68,327.66 ; D113.B10 179.54,327.66 ; D113.B10 180.61,328.73 ; D113.B10 180.61,326.59 ; 112.03,387.55 D228.B8 ; D228.B8 112.03,389.69 ; D228.B8 110.96,388.62 ; D228.B8 113.1,388.62 ; D114.A15 168.98,355.6 ; D114.A15 167.91,354.53 ; D114.A15 166.84,355.6 ; D114.A15 167.91,356.67 ; D107.A14 270.58,55.88 ; D107.A14 269.51,56.95 ; D107.A14 269.51,54.81 ; D107.A14 268.44,55.88 ; D121.B4 96.79,102.67 ; D121.B4 95.72,101.6 ; D121.B4 96.79,100.53 ; D121.B4 97.86,101.6 ; D122.A3 95.32,73.66 ; D122.A3 93.18,73.66 ; D122.A3 94.25,74.73 ; D122.A3 94.25,72.59 ; D432.B11 31.82,401.32 ; D432.B11 29.68,401.32 ; D432.B11 30.75,400.25 ; D432.B11 30.75,402.39 ; 121.12,388.62 D228.B4 ; D228.B4 122.19,387.55 ; D228.B4 123.26,388.62 ; D228.B4 122.19,389.69 ; D428.A2 128.34,403.86 ; D428.A2 126.2,403.86 ; D428.A2 127.27,404.93 ; D428.A2 127.27,402.79 ; D227.A5 119.65,376.99 ; D227.A5 120.72,375.92 ; D227.A5 119.65,374.85 ; D227.A5 118.58,375.92 ; D112.B9 256.81,392.23 ; D112.B9 257.88,391.16 ; D112.B9 256.81,390.09 ; D112.B9 255.74,391.16 ; CSDPS425.C9 109.49,341.43 ; CSDPS425.C9 108.42,340.36 ; CSDPS425.C9 110.56,340.36 ; CSDPS425.C9 109.49,339.29 ; 253.2,101.6 D105.B8 ; D105.B8 255.34,101.6 ; D105.B8 254.27,100.53 ; D105.B8 254.27,102.67 ; D115.B9 184.22,370.84 ; D115.B9 183.15,371.91 ; D115.B9 183.15,369.77 ; D115.B9 182.08,370.84 ; 175.53,100.53 D101.B6 ; D101.B6 174.46,101.6 ; D101.B6 176.6,101.6 ; D101.B6 175.53,102.67 ; D432.A3 51.07,407.47 ; D432.A3 52.14,406.4 ; D432.A3 51.07,405.33 ; D432.A3 50,406.4 ; D228.B11 105.48,391.16 ; D228.B11 104.41,390.09 ; D228.B11 103.34,391.16 ; D228.B11 104.41,392.23 ; 106.95,59.89 D123.B8 ; D123.B8 106.95,62.03 ; D123.B8 105.88,60.96 ; D123.B8 108.02,60.96 ; 14.92,350.04 UHC230.G4_10 ; UHC230.G4_10 15.73,349.23 ; UHC230.G4_10 16.54,350.04 ; UHC230.G4_10 15.73,350.85 ; 91.71,34.49 D124.A2 ; D124.A2 91.71,36.63 ; D124.A2 90.64,35.56 ; D124.A2 92.78,35.56 ; 25.67,339.29 CSDPS429.C13 ; CSDPS429.C13 25.67,341.43 ; CSDPS429.C13 24.6,340.36 ; CSDPS429.C13 26.74,340.36 ; D114.B8 185.69,349.05 ; D114.B8 185.69,346.91 ; D114.B8 186.76,347.98 ; D114.B8 184.62,347.98 ; D121.A13 119.65,95.05 ; D121.A13 120.72,93.98 ; D121.A13 119.65,92.91 ; D121.A13 118.58,93.98 ; D122.A9 110.56,73.66 ; D122.A9 108.42,73.66 ; D122.A9 109.49,72.59 ; D122.A9 109.49,74.73 ; 251.73,349.45 D110.B11 ; D110.B11 251.73,351.59 ; D110.B11 250.66,350.52 ; D110.B11 252.8,350.52 ; 185.69,392.63 D116.A8 ; D116.A8 184.62,393.7 ; D116.A8 186.76,393.7 ; D116.A8 185.69,394.77 ; D124.A15 124.73,34.09 ; D124.A15 124.73,31.95 ; D124.A15 125.8,33.02 ; D124.A15 123.66,33.02 ; 192.24,350.52 D114.B5 ; D114.B5 193.31,351.59 ; D114.B5 193.31,349.45 ; D114.B5 194.38,350.52 ; 105.88,342.9 CSDPS425.B10 ; CSDPS425.B10 106.95,343.97 ; CSDPS425.B10 106.95,341.83 ; CSDPS425.B10 108.02,342.9 ; DPS8.B15 21.66,412.75 ; DPS8.B15 20.59,413.82 ; DPS8.B15 19.52,412.75 ; DPS8.B15 20.59,411.68 ; 53.61,382.47 D431.A2 ; D431.A2 54.68,383.54 ; D431.A2 52.54,383.54 ; D431.A2 53.61,384.61 ; D119.A1 15.51,54.41 ; D119.A1 14.44,53.34 ; D119.A1 15.51,52.27 ; D119.A1 16.58,53.34 ; D110.B1 278.2,350.52 ; D110.B1 277.13,349.45 ; D110.B1 276.06,350.52 ; D110.B1 277.13,351.59 ; 187.16,396.24 D116.A7 ; D116.A7 188.23,395.17 ; D116.A7 188.23,397.31 ; D116.A7 189.3,396.24 ; 270.98,93.98 D105.A15 ; D105.A15 272.05,92.91 ; D105.A15 272.05,95.05 ; D105.A15 273.12,93.98 ; D107.A2 240.1,55.88 ; D107.A2 237.96,55.88 ; D107.A2 239.03,56.95 ; D107.A2 239.03,54.81 ; 264.43,80.21 D106.B12 ; D106.B12 263.36,81.28 ; D106.B12 265.5,81.28 ; D106.B12 264.43,82.35 ; D103.B3 167.91,59.49 ; D103.B3 168.98,58.42 ; D103.B3 166.84,58.42 ; D103.B3 167.91,57.35 ; D227.B7 115.64,370.84 ; D227.B7 114.57,371.91 ; D227.B7 113.5,370.84 ; D227.B7 114.57,369.77 ; D108.B11 261.89,39.17 ; D108.B11 262.96,38.1 ; D108.B11 260.82,38.1 ; D108.B11 261.89,37.03 ; D109.B9 257.88,330.2 ; D109.B9 256.81,329.13 ; D109.B9 255.74,330.2 ; D109.B9 256.81,331.27 ; 37.3,403.86 D432.A8 ; D432.A8 39.44,403.86 ; D432.A8 38.37,402.79 ; D432.A8 38.37,404.93 ; 104.41,72.59 D122.A7 ; D122.A7 104.41,74.73 ; D122.A7 105.48,73.66 ; D122.A7 103.34,73.66 ; DPS2.B01 203.47,413.82 ; DPS2.B01 204.54,412.75 ; DPS2.B01 203.47,411.68 ; DPS2.B01 202.4,412.75 ; 50,78.74 D118.B15 ; D118.B15 51.07,79.81 ; D118.B15 52.14,78.74 ; D118.B15 51.07,77.67 ; 166.84,335.28 D113.A15 ; D113.A15 167.91,334.21 ; D113.A15 167.91,336.35 ; D113.A15 168.98,335.28 ; D231.A6 44.52,373.38 ; D231.A6 43.45,374.45 ; D231.A6 43.45,372.31 ; D231.A6 42.38,373.38 ; 274.59,372.31 D111.A2 ; D111.A2 273.52,373.38 ; D111.A2 275.66,373.38 ; D111.A2 274.59,374.45 ; 164.3,35.56 D104.A2 ; D104.A2 165.37,36.63 ; D104.A2 165.37,34.49 ; D104.A2 166.44,35.56 ; 193.31,411.68 DPS2.B05 ; DPS2.B05 193.31,413.82 ; DPS2.B05 192.24,412.75 ; DPS2.B05 194.38,412.75 ; 32.22,398.78 D432.B10 ; D432.B10 34.36,398.78 ; D432.B10 33.29,399.85 ; D432.B10 33.29,397.71 ; D114.A4 196.92,353.06 ; D114.A4 194.78,353.06 ; D114.A4 195.85,351.99 ; D114.A4 195.85,354.13 ; D428.B3 125.8,401.32 ; D428.B3 124.73,400.25 ; D428.B3 123.66,401.32 ; D428.B3 124.73,402.39 ; 165.37,100.53 D101.B2 ; D101.B2 165.37,102.67 ; D101.B2 164.3,101.6 ; D101.B2 166.44,101.6 ; 124.73,385.01 D427.A3 ; D427.A3 123.66,386.08 ; D427.A3 125.8,386.08 ; D427.A3 124.73,387.15 ; 178.07,395.17 D116.A11 ; D116.A11 178.07,397.31 ; D116.A11 177,396.24 ; D116.A11 179.14,396.24 ; D121.A5 99.33,95.05 ; D121.A5 100.4,93.98 ; D121.A5 99.33,92.91 ; D121.A5 98.26,93.98 ; 44.92,58.42 D119.B13 ; D119.B13 45.99,57.35 ; D119.B13 45.99,59.49 ; D119.B13 47.06,58.42 ; 99.33,395.17 D228.A13 ; D228.A13 99.33,397.31 ; D228.A13 98.26,396.24 ; D228.A13 100.4,396.24 ; 35.83,379.93 D431.B9 ; D431.B9 35.83,382.07 ; D431.B9 36.9,381 ; D431.B9 34.76,381 ; 18.05,387.55 D232.B16 ; D232.B16 16.98,388.62 ; D232.B16 18.05,389.69 ; D232.B16 19.12,388.62 ; D114.A10 180.61,354.13 ; D114.A10 181.68,353.06 ; D114.A10 180.61,351.99 ; D114.A10 179.54,353.06 ; 25.67,369.77 D231.B13 ; D231.B13 24.6,370.84 ; D231.B13 26.74,370.84 ; D231.B13 25.67,371.91 ; 248.12,76.2 D106.A6 ; D106.A6 250.26,76.2 ; D106.A6 249.19,77.27 ; D106.A6 249.19,75.13 ; 274.59,95.45 D105.A16 ; D105.A16 275.66,96.52 ; D105.A16 273.52,96.52 ; D105.A16 274.59,97.59 ; 47.02,350.04 UHC230.G3_9 ; UHC230.G3_9 48.64,350.04 ; UHC230.G3_9 47.83,349.23 ; UHC230.G3_9 47.83,350.85 ; D228.A4 123.26,393.7 ; D228.A4 121.12,393.7 ; D228.A4 122.19,394.77 ; D228.A4 122.19,392.63 ; D119.A5 25.67,54.41 ; D119.A5 26.74,53.34 ; D119.A5 24.6,53.34 ; D119.A5 25.67,52.27 ; D105.B10 260.42,101.6 ; D105.B10 259.35,102.67 ; D105.B10 258.28,101.6 ; D105.B10 259.35,100.53 ; 266.97,72.59 D106.A13 ; D106.A13 266.97,74.73 ; D106.A13 268.04,73.66 ; D106.A13 265.9,73.66 ; 268.44,393.7 D112.A4 ; D112.A4 269.51,392.63 ; D112.A4 269.51,394.77 ; D112.A4 270.58,393.7 ; D227.B5 120.72,370.84 ; D227.B5 119.65,371.91 ; D227.B5 118.58,370.84 ; D227.B5 119.65,369.77 ; D119.A13 47.06,53.34 ; D119.A13 45.99,52.27 ; D119.A13 44.92,53.34 ; D119.A13 45.99,54.41 ; D112.B16 240.1,388.62 ; D112.B16 237.96,388.62 ; D112.B16 239.03,389.69 ; D112.B16 239.03,387.55 ; D108.A15 272.05,34.09 ; D108.A15 270.98,33.02 ; D108.A15 273.12,33.02 ; D108.A15 272.05,31.95 ; D227.A12 101.87,374.45 ; D227.A12 100.8,373.38 ; D227.A12 101.87,372.31 ; D227.A12 102.94,373.38 ; 237.96,332.74 D109.A16 ; D109.A16 239.03,333.81 ; D109.A16 240.1,332.74 ; D109.A16 239.03,331.67 ; D115.A2 200.93,374.45 ; D115.A2 202,373.38 ; D115.A2 199.86,373.38 ; D115.A2 200.93,372.31 ; 171.92,53.34 D103.A5 ; D103.A5 172.99,54.41 ; D103.A5 174.06,53.34 ; D103.A5 172.99,52.27 ; 38.37,59.89 D119.B10 ; D119.B10 37.3,60.96 ; D119.B10 39.44,60.96 ; D119.B10 38.37,62.03 ; D105.A2 239.03,97.59 ; D105.A2 237.96,96.52 ; D105.A2 240.1,96.52 ; D105.A2 239.03,95.45 ; D110.B15 242.64,350.52 ; D110.B15 241.57,349.45 ; D110.B15 241.57,351.59 ; D110.B15 240.5,350.52 ; D231.A17 15.51,376.99 ; D231.A17 14.44,375.92 ; D231.A17 16.58,375.92 ; D231.A17 15.51,374.85 ; 95.72,342.9 CSDPS425.B14 ; CSDPS425.B14 97.86,342.9 ; CSDPS425.B14 96.79,341.83 ; CSDPS425.B14 96.79,343.97 ; 14.44,93.98 D117.A1 ; D117.A1 16.58,93.98 ; D117.A1 15.51,92.91 ; D117.A1 15.51,95.05 ; D116.B13 174.06,391.16 ; D116.B13 172.99,390.09 ; D116.B13 172.99,392.23 ; D116.B13 171.92,391.16 ; 187.16,99.06 D101.B11 ; D101.B11 188.23,97.99 ; D101.B11 188.23,100.13 ; D101.B11 189.3,99.06 ; 192.24,375.92 D115.A5 ; D115.A5 194.38,375.92 ; D115.A5 193.31,376.99 ; D115.A5 193.31,374.85 ; 164.3,368.3 D115.B16 ; D115.B16 165.37,367.23 ; D115.B16 166.44,368.3 ; D115.B16 165.37,369.37 ; D112.B10 255.34,388.62 ; D112.B10 253.2,388.62 ; D112.B10 254.27,387.55 ; D112.B10 254.27,389.69 ; CSDPS226.C13 100.4,350.52 ; CSDPS226.C13 99.33,351.59 ; CSDPS226.C13 98.26,350.52 ; CSDPS226.C13 99.33,349.45 ; D118.B1 16.58,78.74 ; D118.B1 15.51,79.81 ; D118.B1 15.51,77.67 ; D118.B1 14.44,78.74 ; 88.1,401.32 D428.B17 ; D428.B17 90.24,401.32 ; D428.B17 89.17,400.25 ; D428.B17 89.17,402.39 ; D121.A15 125.8,93.98 ; D121.A15 124.73,95.05 ; D121.A15 124.73,92.91 ; D121.A15 123.66,93.98 ; D116.A6 190.77,394.77 ; D116.A6 191.84,393.7 ; D116.A6 190.77,392.63 ; D116.A6 189.7,393.7 ; 272.05,72.59 D106.A15 ; D106.A15 270.98,73.66 ; D106.A15 273.12,73.66 ; D106.A15 272.05,74.73 ; D122.B3 95.32,78.74 ; D122.B3 94.25,77.67 ; D122.B3 93.18,78.74 ; D122.B3 94.25,79.81 ; CSDPS226.C11 105.48,350.52 ; CSDPS226.C11 104.41,351.59 ; CSDPS226.C11 104.41,349.45 ; CSDPS226.C11 103.34,350.52 ; CSDPS426.C5 119.65,361.75 ; CSDPS426.C5 120.72,360.68 ; CSDPS426.C5 119.65,359.61 ; CSDPS426.C5 118.58,360.68 ; 90.64,368.3 D227.B16 ; D227.B16 92.78,368.3 ; D227.B16 91.71,369.37 ; D227.B16 91.71,367.23 ; D232.A13 26.74,396.24 ; D232.A13 25.67,395.17 ; D232.A13 24.6,396.24 ; D232.A13 25.67,397.31 ; D123.B1 89.17,59.49 ; D123.B1 89.17,57.35 ; D123.B1 88.1,58.42 ; D123.B1 90.24,58.42 ; D428.B16 92.78,398.78 ; D428.B16 91.71,399.85 ; D428.B16 91.71,397.71 ; D428.B16 90.64,398.78 ; D115.B4 195.85,369.37 ; D115.B4 195.85,367.23 ; D115.B4 196.92,368.3 ; D115.B4 194.78,368.3 ; D107.B4 244.11,62.03 ; D107.B4 244.11,59.89 ; D107.B4 243.04,60.96 ; D107.B4 245.18,60.96 ; UHC430.G2_4 48.64,363.7 ; UHC430.G2_4 47.83,362.89 ; UHC430.G2_4 47.83,364.51 ; UHC430.G2_4 47.02,363.7 ; CSDPS429.B4 48.53,343.97 ; CSDPS429.B4 47.46,342.9 ; CSDPS429.B4 48.53,341.83 ; CSDPS429.B4 49.6,342.9 ; DPS3.A15 124.73,15.04 ; DPS3.A15 124.73,12.9 ; DPS3.A15 123.66,13.97 